# Altium PCB relay_ac.PcbDoc (continued)
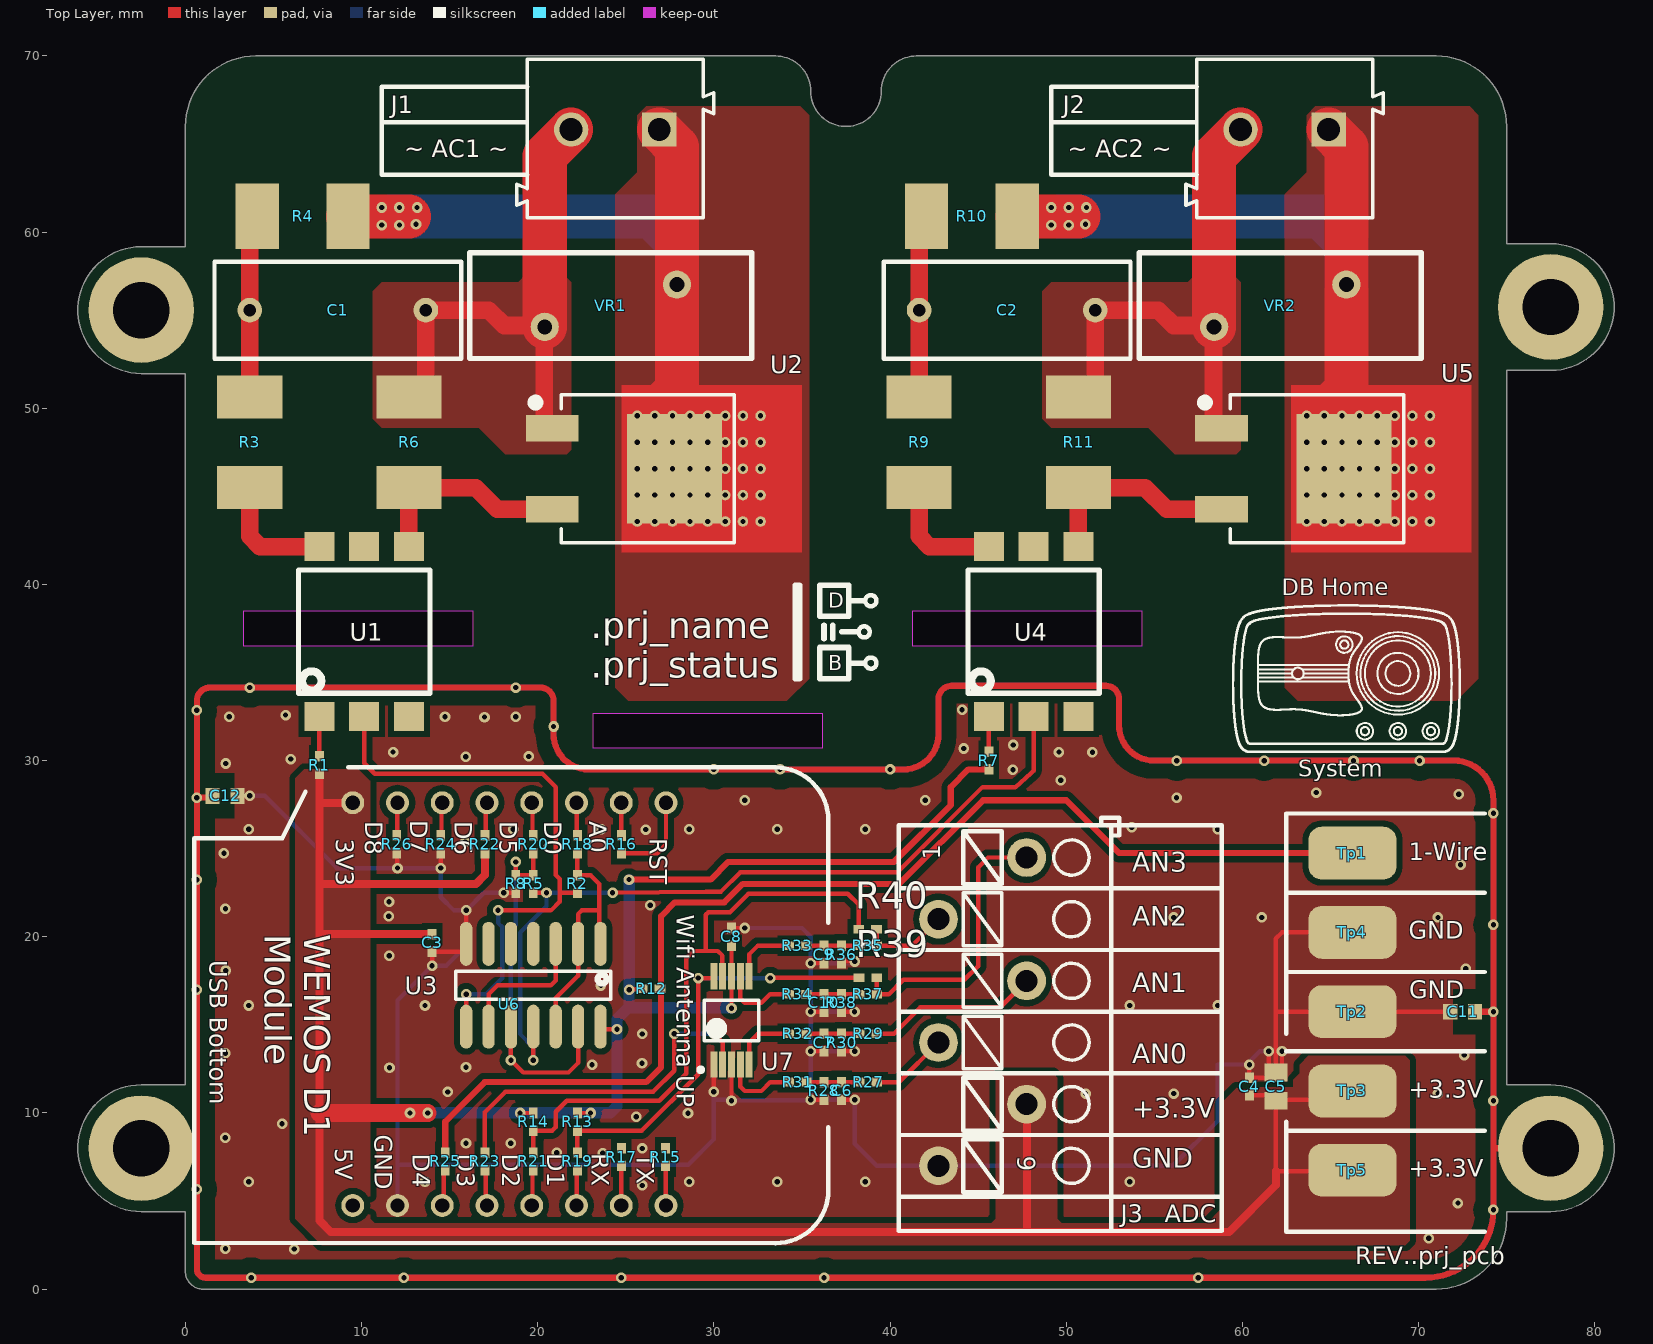
[diagram p0: Top Layer view]
## Part data
C1 C2: library part Cap, "Capacitor X2 275V", ComponentLink1Description="New link", MountTechnology=PTH
C3 C4 C5 C6 C7 C8 C9 C10 C11 C12: library part Cap, "Capacitor", ComponentLink1Description="New link"
J1 J2: library part "Header 2", "Header, 2-Pin", LatestRevisionDate=17-Jul-2002, LatestRevisionNote="Re-released for DXP Platform.", Publisher="Altium Limited"
J3: library part "Header 3X2", "Header, 3-Pin, Dual row", LatestRevisionDate=17-Jul-2002, LatestRevisionNote="Re-released for DXP Platform.", Publisher="Altium Limited"
R1 R2 R5 R7 R8 R12 R13 R14 R15 R16 R17 R18 R19 R20 R21 R22 R23 R24 R25 R26 R27 R28 R29 R30 R31 R32 R33 R34 R35 R36 R37 R38 R39 R40: library part Res1, "Resistor", MountTechnology=SMT, Publisher="Develer srl", Revision=0.1
R3 R9: library part Res1, "Resistor 300V (Walsin WF25P271)", MountTechnology=SMT, Publisher="Develer srl", Revision=0.1
R4 R10: library part Res1, "Resistor 2W 300V (Walsin WF25P471)", MountTechnology=SMT, Publisher="Develer srl", Revision=0.1
R6 R11: library part Res1, "Resistor 1W 200V", MountTechnology=SMT, Publisher="Develer srl", Revision=0.1
Tp1 Tp2 Tp3 Tp4 Tp5: library part Test_point
U1 U4: library part MOC302xS, "Opto-triac", MountTechnology=SMT, Publisher="Develer srl", Revision=0.1
U2 U5: library part triac, "triac", MountTechnology=SMT, Publisher="Develer srl", Revision=0.1
U3: library part TI-NAND-4-2IN-14_G, "Quad 2-Input Positive-NAND Gates, D0014A, LARGE T&R", F @ Nom Voltage(Max)(Mhz)=70, Generic Part Number=SN74HC00, ICC @ Nom Voltage(Max)(mA)=0.02, Manufacturer="Texas Instruments", Operating Temperature Range(C)="-40 to 85", Rating=Catalog, tpd @ Nom Voltage(Max)(ns)=23, Voltage(Nom)(V)=5, Bits(#)=4, Code_JEDEC=MS-012, DatasheetVersion=SCLS181E, Input Type=CMOS, Output Drive (IOL/IOH)(Max)(mA)=5.2/-5.2, Output Type=CMOS, PackageReference=D0014A, Schmitt Trigger=Yes, Technology Family=HC, VCC(Max)(V)=6, VCC(Min)(V)=2
U6: library part "WEMOS D1", "ComponetDescritions (altrenative1; alternativ2)", MountTechnology=SMT, Publisher="Develer srl", Revision=0.1
U7: library part TI-ADS1015_1115-10, "12-Bit ADC with Integrated Multiplexer, PGA, Comparator, Oscillator, and Reference, -40 to 125 degC, 10-pin SOP (DGS10), Green (RoHS & no Sb/Br)", Analog Voltage AV/DD(Max)(V)=5.5, Analog Voltage AV/DD(Min)(V)=2, Manufacturer="Texas Instruments", # Input Channels=4, Architecture=Delta-Sigma, Code_JEDEC=MO-153, ComponentLink1Description="Manufacturer URL", ComponentLink1URL=http://www.ti.com/, ComponentLink2Description=Datasheet, ComponentLink2URL=http://www.ti.com/general/docs/lit/getliterature.tsp?genericPartNumber=ADS1015&fileType=pdf, ComponentLink3Description="Package Specification", ComponentLink3URL=http://www.ti.com/lit/ml/mpds035b/mpds035b.pdf, DatasheetVersion=SBAS473C, Digital Supply(Max)(V)=5.5, Digital Supply(Min)(V)=2, Eco-Plan="Green (RoHS & no Sb/Br)", INL(Max)(+/-LSB)=0.5, Interface="Serial I2C", Mounting Technology="Surface Mount", PackageDescription="10-Pin Plastic Small Outline, Body 3 x 3 mm, Pitch 0.5 mm", PackageReference=DGS10, PackageVersion="4073272/C, 02/2004", PartNumber=ADS1015IDGSR, Resolution(Bits)=12, Sample Rate (max)(SPS)=3.3k, SubFamily="Precision ADC (<=10MSPS)"
VR1 VR2: library part VARISTOR, "ComponetDescritions (altrenative1; alternativ2)", MountTechnology=PTH, Publisher="Develer srl", Revision=0.1

## Free pads (board coordinates)
  round 6 hole 3.2: Hole(-2.5,8) Hole(-2.5,55.575) Hole(77.5,8) Hole(77.5,55.75)

## Via types
v1: diameter 0.6, hole 0.3, Top Layer to Bottom Layer, 156 vias

## Nets (pads, with @x,y where several pads share a name; then routed paths per layer and width w, separated by ;. In a path a pad name is that pad's centre, name@x,y a point inside that pad or via, vN(x,y) a via of type N, cw(c..) or ccw(c..) an arc to the next point about the centre after c; other vN are vias at no path point)
1-Wire: R12.1 R25.1 Tp1.1 | length 67.1
  Top Layer w0.35: R25.1 14.75,9.51 16.99,11.75 26.15,11.75 27,12.6 27,17.05 27,21.175 27.775,21.95 30.6,21.95 31.65,23 40.53,23 45.28,27.75 50,27.75 53,24.75 Tp1.1
+3.3V: C3.2 C4.2 C5.2 C8.2 J3.5 R1.2 R7.2 R12.2 R13.2 R14.2 R22.2 Tp3.1 Tp5.1 U3.14 U6.8 U7.8 | length 190.2
  Top Layer w0.25: v1(19,10) R14.2 ; R13.2 v1(23,10) ; U3.14 23.71,14.75 v1(24.5,14.75) ; v1(25.193,17) 25.218,17.025 25.918,17.025 R12.2 ; v1(31,15.943) U7.8 C8.2 ; C4.2 61.6,11 C5.2 ; Tp5.1@66.195,6.695 61.9,6.695 C5.2 ; Tp3.1 65.75,10.75 61.95,10.75 C5.2
  Top Layer w0.35: v1(25.181,23.25) 29.81,23.25 30.81,24.25 40.225,24.25 43.45,27.475 43.45,28.5 44.45,29.5 R7.2
  Top Layer w0.45: R1.2 7.61,27.59 ; U6.8 9.48,27.59 7.61,27.59 ; C3.2 7.703,20.15 7.61,20.243 ; R22.2 17,23.51 16.49,23 7.61,23 ; J3.5@47.775,10.475 47.775,3.25 ; 61.9,6.695 61.9,5.9 59.25,3.25 47.775,3.25 ; 7.61,20.243 7.61,10 7.61,3.89 8.25,3.25 47.775,3.25 ; 7.61,20.243 7.61,23 ; 7.61,23 7.61,27.59
  Top Layer w1: 7.61,10 v1(12.75,10) v1(13.75,10)
  Bottom Layer w0.65: v1(12.75,10) v1(13.75,10) v1(19,10) v1(23,10) 24.119,10 24.5,10.381 24.5,15.335 25.148,15.983 25.181,15.983 ; v1(25.181,23.25) 25.187,23.244 25.187,17.006 v1(25.193,17) 25.181,16.988 25.181,15.983 ; v1(31,15.943) 30.96,15.983 25.181,15.983
+5V: U6.9
AC0_L1: J1.1 R4.1 U2.2 VR1.2 | length 39.7
  Top Layer w2.5: R4.1 12.69,60.9 ; J1.1 27.9,64.825 VR1.2 27.9,51.039 27.15,50.289 U2.2@27.15,49.575
  Bottom Layer w2.5: 11.65,60.9 26.436,60.9 27.9,59.436 VR1.2
  other v1: 11.15,60.4 12.15,60.4 13.092,60.452 11.15,61.4 12.15,61.4 13.15,61.4
AC0_L2: C1.1 J1.2 R6.1 U2.1 VR1.1 | length 30.2
  Top Layer w1: R6.1 12.925,50.65 13.65,51.375 C1.1 17.225,55.575 18.1,54.7 20.325,54.7 VR1.1 20.362,54.588 20.362,48.913 U2.1@20.325,48.875
  Top Layer w2.5: VR1.1 20.4,64.325 J1.2
AC1_L1: J2.1 R10.1 U5.2 VR2.2 | length 39.7
  Top Layer w2.5: R10.1 50.69,60.9 ; J2.1 65.9,64.825 VR2.2 65.9,51.039 65.15,50.289 U5.2@65.15,49.575
  Bottom Layer w2.5: 49.65,60.9 64.436,60.9 65.9,59.436 VR2.2
  other v1: 49.15,60.4 50.15,60.4 51.092,60.452 49.15,61.4 50.15,61.4 51.15,61.4
AC1_L2: C2.1 J2.2 R11.1 U5.1 VR2.1 | length 30.2
  Top Layer w1: R11.1 50.925,50.65 51.65,51.375 C2.1 55.225,55.575 56.1,54.7 58.325,54.7 VR2.1 58.362,54.588 58.362,48.913 U5.1@58.325,48.875
  Top Layer w2.5: VR2.1 58.4,64.325 J2.2
ADC_TRG: R23.1 U7.2 | length 20.3
  Top Layer w0.25: R23.1 17,10.033 18.167,11.2 26.55,11.2 27.75,12.4 v1(27.75,14.5) ; v1(30,14.5) 30.5,14 U7.2
  Bottom Layer w0.25: v1(27.75,14.5) v1(30,14.5)
AN0: J3.4 R27.2 | length 4.5
  Top Layer w0.25: R27.2@39.277,11.723 R27.2 40.5,11.75 J3.4
AN1: J3.3 R29.2 | length 9.7
  Top Layer w0.25: R29.2 40.226,14.5 41.726,16 46.25,16 J3.3
AN2: J3.2 R35.2 R40.2 | length 5.1
  Top Layer w0.25: R40.2 39.238,20.419 39.238,19.499 R35.2 41.243,19.493 J3.2
AN3: J3.1 R37.2 R39.2 | length 15.9
  Top Layer w0.25: R39.2 39.241,17.671 39.241,16.745 R37.2 39.935,16.743 40.75,17.558 44.218,17.558 45,18.34 45,23.939 45.561,24.5 J3.1
DIR: R2.2 R18.2 U3.1 U3.2 U3.12 | length 14.3
  Top Layer w0.25: U3.12 21.02,16.52 22.29,17.79 U3.2 22.29,21.29 22.5,21.5 23.5,21.5 ; R18.2 R2.2 23,23.5 23.5,23 23.5,21.5 ; U3.1 23.5,19.66 23.5,21.5
ENABLE: R5.2 R8.1 R20.2 U3.10 U3.13 | length 22.6
  Top Layer w0.25: U3.10 v1(18.48,13) 19.18,12.3 21.75,12.3 22.29,12.84 U3.13 ; v1(18.75,24.25) R8.1 R5.2 R20.2
  Bottom Layer w0.25: v1(18.48,13) 18.48,20.42 18.75,20.69 v1(18.75,24.25)
GND: C3.1 C4.1 C5.1 C6.1 C7.1 C8.1 C9.1 C10.1 C11.1 C12.1 J3.6 R8.2 R24.2 R26.2 R28.2 R30.2 R36.2 R38.2 Tp2.1 Tp4.1 U3.7 U6.10 U7.1 U7.3 | length 165.9
  Top Layer w0.25: C12.1 v1(3.65,28) ; R26.2 12.02,24.73 12.02,23.92 v1(12.04,23.9) ; v1(14.004,18.36) C3.1 15.732,19.15 15.94,19.358 U3.7 v1(15.94,21.5) ; v1(14.5,23.9) R24.2 ; v1(18.075,22.5) R8.2 ; v1(29.985,11.2) 29.992,11.208 29.992,12.742 U7.1 ; v1(31,10.7) U7.3 ; C8.1 v1(31.75,20.5) ; v1(35.5,15.743) C10.1 ; v1(35.5,18.493) C9.1 ; v1(35.507,10.75) R28.2 ; v1(35.507,13.5) C7.1 ; R38.2 v1(37.986,15.743) ; R36.2 37.35,18.6 v1(38,18.6) ; C6.1 v1(37.993,10.75) ; R30.2 v1(37.993,13.5) ; v1(60.4,12.742) C4.1 61.6,12 C5.1 ; Tp4.1 62.25,20.25 61.9,19.9 61.9,15.75 ; C11.1@72.05,15.75 Tp2.1 61.9,15.75 ; C5.1 62.25,12.65 v1(62.25,13.5) 61.9,13.5 ; C5.1 61.9,13.5 ; C5.1 61.875,12.3 61.5,12.675 v1(61.5,13.5) 61.9,13.5 ; 61.9,13.5 61.9,15.75
  Bottom Layer w0.25: v1(3.65,28) 4.5,28 8.6,23.9 v1(12.04,23.9) v1(14.5,23.9) 14.5,22.25 15.25,21.5 v1(15.94,21.5) ; U6.10 12.04,7.064 ; v1(18.075,22.5) 16.94,22.5 v1(15.94,21.5) ; v1(29.985,11.2) 29.985,10.75 ; v1(31.75,20.5) 35,20.5 35.5,20 v1(35.5,18.493) ; v1(35.507,13.5) v1(37.993,13.5) ; v1(37.986,15.743) v1(35.5,15.743) ; v1(38,18.6) 37.893,18.493 v1(35.5,18.493) ; v1@60.5,12.75 v1@60.25,12.75 ; v1(62.25,13.5) v1(61.5,13.5) 61,13.5 v1@60.25,12.75 ; 12.04,7.064 12.04,16.396 v1(14.004,18.36) 14.8,18.36 15.94,19.5 v1(15.94,21.5) ; 12.04,7.064 28.549,7.064 29.985,8.5 29.985,10.75 ; 29.985,10.75 30.95,10.75 v1(31,10.7) 31.025,10.725 35.482,10.725 v1(35.507,10.75) ; v1(35.5,15.743) 35.5,10.757 v1(35.507,10.75) ; v1(35.5,15.743) v1(35.5,18.493) ; v1(35.507,10.75) v1(37.993,10.75) 37.993,8.25 39.243,7 J3.6 56.05,7 58.6,9.55 58.6,12.75 v1@60.25,12.75
  other v1: 6.187,2.275 2.275,2.287 70.587,2.887 72.237,4.887 25.931,5.887 3.6,6.1 13.6,6.1 28.6,6.1 33.6,6.1 38.6,6.1 53.6,6.1 21.087,7.738 23.697,7.725 25.931,7.987 18.467,8.275 15.927,8.287 2.262,8.587 5.487,9.387 25.587,9.787 28.53,9.988 51.1,11.1 56.1,11.1 71.1,11.1 14.887,11.195 11.587,12.575 15.927,12.587 23.087,12.73 25.918,12.827 72.587,13.287 2.275,13.387 25.931,14.487 3.6,16.1 13.6,16.1 53.6,16.1 58.6,16.1 23.588,17.237 2.287,18.087 72.687,18.187 11.575,18.922 56.1,21.1 61.1,21.1 71.1,21.1 11.55,21.163 2.275,21.587 26.387,21.787 11.562,21.987 72.387,24.087 2.187,24.737 15.887,25.387 3.6,26.1 18.6,26.1 23.6,26.1 26.138,26.088 28.6,26.1 33.6,26.1 38.6,26.1 58.6,26.1 53.718,26.218 31.75,27.75 42,27.75 56.266,27.887 72.287,28.087 64.187,28.187 49.687,28.887 46.975,29.487 2.287,29.838 5.987,30.087 15.915,30.225 19.487,30.238 51.487,30.475 11.787,30.487 49.587,30.487 44.187,30.687 46.987,30.887 16.977,32.474 2.487,32.487 14.737,32.487 18.75,32.499 5.687,32.587 44.087,32.887
NetC1_2: C1.2 R3.1 R4.2 | length 8.5
  Top Layer w1: R3.1 C1.2 R4.2@3.65,59.15
NetC2_2: C2.2 R9.1 R10.2 | length 8.5
  Top Layer w1: R9.1 C2.2 R10.2@41.65,59.15
NetC6_2: C6.2 R27.1 R28.1 R31.1 | length 3
  Top Layer w0.25: R31.1 R28.1 R27.1
NetC7_2: C7.2 R29.1 R30.1 R32.1 | length 3
  Top Layer w0.25: R32.1 C7.2 R29.1
NetC9_2: C9.2 R33.1 R35.1 R36.1 | length 3
  Top Layer w0.25: R33.1 C9.2 R35.1
NetC10_2: C10.2 R34.1 R37.1 R38.1 | length 3
  Top Layer w0.25: R34.1 R38.1 R37.1
NetR1_1: R1.1 U1.1 | length 2.2
  Top Layer w0.25: R1.1 U1.1
NetR2_1: R2.1 U1.2 U3.8 | length 33.5
  Top Layer w0.25: U1.2 10.15,29.85 10.75,29.25 20.27,29.25 21.02,28.5 21.02,23.51 21.25,23.28 21.25,22 20.75,21.5 v1(17.75,21.5) ; U3.8 v1(15.94,16.743) ; 21.287,22.5 R2.1
  Bottom Layer w0.25: v1(15.94,16.743) 17.064,16.743 17.98,17.659 17.98,20.558 17.75,20.788 v1(17.75,21.5)
NetR3_2: R3.2 U1.6 | length 7
  Top Layer w1: R3.2 3.65,42.737 4.236,42.151 U1.6
NetR5_1: R5.1 U3.11 U4.2 | length 46.6
  Top Layer w0.25: v1(19.75,13) U3.11 ; R5.1 v1(20.5,22.5) ; v1(24.25,22.5) 29.543,22.565 30.405,22.565 31.507,23.667 40.419,23.667 45.253,28.5 47.112,28.5 48.004,29.278 48.15,29.424 U4.2
  Bottom Layer w0.25: v1(19.75,13) 19.75,13.731 19,14.481 19,20.233 20.5,21.733 v1(20.5,22.5) v1(24.25,22.5)
NetR6_2: R6.2 U1.4 U2.3 | length 11.5
  Top Layer w1: U1.4@12.65,42.15 12.69,42.19 12.69,45.49 R6.2 16.475,45.5 17.7,44.275 U2.3@20.325,44.275
NetR7_1: R7.1 U4.1 | length 2
  Top Layer w0.25: R7.1 U4.1
NetR9_2: R9.2 U4.6 | length 7
  Top Layer w1: R9.2 41.65,42.737 42.236,42.151 U4.6
NetR11_2: R11.2 U4.4 U5.3 | length 11.5
  Top Layer w1: U4.4@50.65,42.15 50.69,42.19 50.69,45.49 R11.2 54.475,45.5 55.7,44.275 U5.3@58.325,44.275
NetR15_2: R15.2 U6.16 | length 2.3
  Top Layer w0.25: R15.2 27.265,6.985 27.265,4.765 U6.16
NetR16_1: R16.1 U6.2 | length 1.9
  Top Layer w0.25: U6.2 24.745,27.605 24.745,25.755 R16.1
NetR16_2: R16.2 U6.1 | length 5.1
  Top Layer w0.25: R16.2 26.78,24.75 27.28,25.25 U6.1
NetR17_2: R17.2 U6.15 | length 2.3
  Top Layer w0.25: U6.15 24.745,4.755 24.745,6.995 R17.2
NetR18_1: R18.1 U6.3 | length 1.9
  Top Layer w0.25: U6.3 22.225,27.585 22.225,25.775 R18.1
NetR19_2: R19.2 U6.14 | length 2
  Top Layer w0.25: U6.14 22.225,4.775 22.225,6.725 R19.2
NetR20_1: R20.1 U6.4 | length 1.9
  Top Layer w0.25: U6.4 19.705,27.565 19.705,25.795 R20.1
NetR21_2: R21.2 U6.13 | length 2
  Top Layer w0.25: U6.13 19.705,4.795 19.705,6.705 R21.2
NetR22_1: R22.1 U6.5 | length 1.9
  Top Layer w0.25: R22.1 17.06,25.81 17.06,27.55 U6.5
NetR23_2: R23.2 U6.12 | length 2
  Top Layer w0.25: R23.2 17.06,6.69 17.06,4.81 U6.12
NetR24_1: R24.1 U6.6 | length 1.9
  Top Layer w0.25: R24.1 14.54,25.79 14.54,27.57 U6.6
NetR25_2: R25.2 U6.11 | length 2.1
  Top Layer w0.25: U6.11 14.665,4.835 14.665,6.665 R25.2
NetR26_1: R26.1 U6.7 | length 1.9
  Top Layer w0.25: R26.1 12.02,25.77 12.02,27.59 U6.7
NetR31_2: R31.2 U7.4 | length 4.3
  Top Layer w0.25: U7.4 31.5,11.5 31.75,11.25 32.697,11.25 33.19,11.743 34.243,11.743 R31.2
NetR32_2: R32.2 U7.5 | length 3.7
  Top Layer w0.25: U7.5 32,14 32.5,14.5 R32.2
NetR33_2: R33.2 U7.6 | length 3.7
  Top Layer w0.25: U7.6 32,19 32.5,19.5 R33.2@34.25,19.5
NetR34_2: R34.2 U7.7 | length 4.3
  Top Layer w0.25: U7.7 31.5,16.5 31.75,16.25 32.697,16.25 33.19,16.743 R34.2
NetU3_3: U3.3 U3.9 | length 8.1
  Top Layer w0.25: U3.9 17.21,16.743 17.717,17.25 20.75,17.25 21.02,17.52 U3.3
SCL: R13.1 R19.1 R39.1 U7.10 | length 25
  Top Layer w0.25: R19.1 R13.1 25.907,9 29.11,12.203 v1(29.11,17.658) 29.878,17.658 29.985,17.765 U7.10 ; v1@33.2,17.673 R39.1
  Bottom Layer w0.25: v1(29.11,17.658) v1(33.2,17.659)
SDA: R14.1 R21.1 R40.1 U7.9 | length 34.8
  Top Layer w0.25: R21.1 R14.1 20.82,9 21.02,9.2 21.02,10.07 21.65,10.7 26.9,10.7 28.435,12.235 28.435,18.783 28.845,19.193 29.543,19.193 ; U7.9 30.5,18.36 30.485,18.375 30.485,18.935 30.226,19.193 29.543,19.193 ; R40.1 38.232,21.818 37.6,22.45 31.963,22.45 30.913,21.4 29.689,21.4 29.543,21.254 29.543,19.193
SHLD: C11.2 C12.2 pad.Hole@77.5,8 pad.Hole@-2.5,8 | length 443.5
  Top Layer w0.25: pad.Hole@-2.5,8 0.65,8 ; 74.25,7.883 74.25,8
  Top Layer w0.35: C12.2@1.7,27.9 v1(0.65,27.9) ; 20.9,31.4 20.9,33.4 ccw(c20.15,33.4) 20.15,34.15 1.4,34.15 ccw(c1.4,33.4) 0.65,33.4 v1(0.65,27.9) ; 20.9,31.5 ccw(c22.9,31.5) 22.9,29.5 ; 22.75,29.5 40.75,29.5 ccw(c40.75,31.5) 42.75,31.5 42.75,33.5 cw(c43.5,33.5) 43.5,34.25 52.25,34.25 cw(c52.25,33.5) 53,33.5 53,32 ccw(c55,32) 55,30 72.25,30 ; 72,30 cw(c72,27.75) 74.25,27.75 v1(74.25,15.75) ; C11.2 v1(74.25,15.75) ; 74.25,7.883 v1(74.25,4.5) cw(c70.4,4.5) 70.4,0.65 1.15,0.65 cw(c1.15,1.15) 0.65,1.15 v1(0.65,5.668) 0.65,8 v1(0.65,16.988) v1(0.65,23.244) v1(0.65,27.9) ; pad.Hole@77.5,8 74.25,8 v1(74.25,10.699) v1(74.25,15.75)
  Bottom Layer w0.35: 20.9,31.4 20.9,33.4 ccw(c20.15,33.4) 20.15,34.15 1.4,34.15 ccw(c1.4,33.4) 0.65,33.4 v1(0.65,27.9) v1(0.65,23.244) v1(0.65,16.988) v1(0.65,5.668) 0.65,1.15 ccw(c1.15,1.15) 1.15,0.65 70.4,0.65 ccw(c70.4,4.5) v1(74.25,4.5) v1(74.25,10.699) v1(74.25,15.75) 74.25,27.75 ccw(c72,27.75) 72,30 ; 20.9,31.5 ccw(c22.9,31.5) 22.9,29.5 ; 22.75,29.5 40.75,29.5 ccw(c40.75,31.5) 42.75,31.5 42.75,33.5 cw(c43.5,33.5) 43.5,34.25 52.25,34.25 cw(c52.25,33.5) 53,33.5 53,32 ccw(c55,32) 55,30 72.25,30
  other v1: 3.736,0.65 12.408,0.65 24.74,0.65 36.254,0.65 57.491,0.65 74.25,20.677 74.25,27.02 29.985,29.5 33.755,29.5 40.002,29.5 56.279,30 61.239,30 66.31,30 70.057,30 20.9,31.939 0.65,32.859 3.65,34.15 18.75,34.15
pads on no net: R15.1 R17.1 U1.3 U1.5 U3.4 U3.5 U3.6 U4.3 U4.5

## Polygon pours and split planes (outlines as drawn)
GND on Top Layer "GND_L01_P014" (solid, remove dead copper, pour order 14): -0.75,34.5 75.5,34.5 75.5,-3 -0.75,-3
+3.3V on Top Layer "+3.3V_L01_P012" (solid, pour order 12): 59.75,11.5 62.5,11.5 63.25,12.25 63.25,12.75 63.75,13.25 69.25,13.25 69.5,13 69.5,2.75 69.25,2.5 7.75,2.5 6.25,4 6.25,29 6.75,29.5 10,29.5 10.5,29 10.5,4 10.75,3.75 45.75,3.75 46,4 46,12 46.25,12.25 49.25,12.25 49.5,12 49.5,4 49.75,3.75 58,3.75 58.75,4.5 58.75,10.5
AC1_L2 on Top Layer "AC1_L2_L01_P008" (solid, pour order 8): 56.9,57.15 57.15,57.4 59.65,57.4 59.9,57.15 59.9,47.65 59.65,47.4 56.15,47.4 54.65,48.9 49.15,48.9 48.65,49.4 48.65,56.65 49.15,57.15
AC1_L1 on Top Layer "AC1_L1_L01_P010" (solid, pour order 10): 72.9,67.15 73.4,66.65 73.4,34.65 72.15,33.4 63.15,33.4 62.4,34.15 62.4,62.15 63.65,63.4 63.65,66.65 64.15,67.15
AC0_L1 on Top Layer "AC0_L1_L01_P009" (solid, pour order 9): 34.9,67.15 35.4,66.65 35.4,34.65 34.15,33.4 25.15,33.4 24.4,34.15 24.4,62.15 25.65,63.4 25.65,66.65 26.15,67.15
AC0_L2 on Top Layer "AC0_L2_L01_P007" (solid, pour order 7): 18.9,57.15 19.15,57.4 21.65,57.4 21.9,57.15 21.9,47.65 21.65,47.4 18.15,47.4 16.65,48.9 11.15,48.9 10.65,49.4 10.65,56.65 11.15,57.15
GND on Bottom Layer "GND_L02_P013" (solid, remove dead copper, pour order 13): -0.75,34.5 75.5,34.5 75.5,-3 -0.75,-3

## Silkscreen, mask and mechanical layers (free items; w line width, h text height)
Top Overlay:
  drawing of 3605 lines, arcs and shapes, not listed
  text "DB Home" at 62.242,39.397 h0.94
  text "D" at 36.48,38.678 h0.85
  text "B" at 36.48,35.135 h0.85
  text ".prj_name / .prj_status" at 23,34.7 h1.5
  text "System" at 63.178,29.099 h0.94
  text "AN3" at 53.735,23.7 h1.1
  text "AN2" at 53.735,20.623 h1.1
  text "AN1" at 53.735,16.843 h1.1
  text "AN0" at 53.735,12.811 h1.1
  text "+3.3V" at 53.735,9.718 h1.1
  text "GND" at 53.735,6.9 h1.1
  text "REV..prj_pcb" at 66.4,1.4 h1
Bottom Overlay:
  drawing of 3579 lines, arcs and shapes, not listed
  text "DB Home" at 69.121,40.99 h0.94
  text "D" at 24.37,38.878 h0.85
  text "B" at 24.37,35.335 h0.85
  text ".prj_name / .prj_status" at 37.85,34.9 h1.5
  text "System" at 68.184,30.692 h0.94
  text "REV..prj_pcb" at 69.712,1.377 h1
Outline:
  lines w0.15: -2.5,4.4 cw(c-2.5,8) -2.5,11.6 0,11.6 0,51.975 -1.25,51.975 -2.5,51.975 cw(c-2.5,55.575) -2.5,59.175 -1.25,59.175 0,59.175 0,66 cw(c4,66) 4,70 33.5,70 cw(c33.5,68) 35.5,68 ccw(c37.5,68) 39.5,68 cw(c41.5,68) 41.5,70 71,70 cw(c71,66) 75,66 75,59.35 76.25,59.35 77.5,59.35 cw(c77.5,55.75) 77.5,52.15 75.873,52.15 75,52.15 75,11.6 76.25,11.6 77.5,11.6 cw(c77.5,8) 77.5,4.4 76.25,4.4 75,4.4 75,4 cw(c71,4) 71,0 1,0 cw(c1,1) 0,1 0,4.4 -2.5,4.4 ; 3.3,36.5 3.3,38.5 16.3,38.5 16.3,36.5 3.3,36.5 ; 23.15,30.7 36.15,30.7 36.15,32.7 23.15,32.7 23.15,30.7 ; 41.3,36.5 54.3,36.5 54.3,38.5 41.3,38.5 41.3,36.5
Drawing:
  text "'.Layer_Name'" at 93.111,-125 h5
Assembly Top:
  text "'.Layer_Name'" at 87.202,-125 h5
Assembly Bottom:
  text "'.Layer_Name'" at -82.626,-124.929 h5
Note Top:
  text "'.Layer_Name'" at 91.818,-125 h5
Note Bottom:
  text "'.Layer_Name'" at -86.518,-124.929 h5
PCB_Note:
  drawing of 3652 lines, arcs and shapes, not listed
  text "A" at -195,146 h1.5
  text "B" at -163,146 h1.5
  text "C" at -133.514,146 h1.5
  text "D" at -104.029,146 h1.5
  text "E" at -74.543,146 h1.5
  text "F" at -45.058,146 h1.5
  text "G" at -15.572,146 h1.5
  text "H" at 13.819,146 h1.5
  text "I" at 43.305,146 h1.5
  text "J" at 72.79,146 h1.5
  text "K" at 102.457,146 h1.5
  text "L" at 131.942,146 h1.5
  text "M" at 161.428,146 h1.5
  text "N" at 190.914,146 h1.5
  text "10" at -207,136 h1.5 r90
  text "10" at 207,135.947 h1.5 r270
  text "PCB Build Notes:" at -195,135.3 h3
  text "1. Layers: '.pcb_layer_count' / 2. Base Material: '.pcb_material' / 3. Plating Finish: '.pcb_finish' / 4. Silkscreen Color: .'.pcb_silkscreen_color' / 5. Solder Color: '.pcb_solder_color'" at -191.686,110.002 h2.5
  text "9" at -207,106.389 h1.5 r90
  text "9" at 207,106.336 h1.5 r270
  text "Other Notes:" at -195,104.3 h3
  text "None" at -191.65,99.114 h2.5
  text "8" at -207,76.778 h1.5 r90
  text "8" at 207,76.725 h1.5 r270
  text "7" at -207,47.167 h1.5 r90
  text "7" at 207,47.114 h1.5 r270
  text "6" at -207,17.556 h1.5 r90
  text "6" at 207,17.503 h1.5 r270
  text "5" at -207,-12.056 h1.5 r90
  text "5" at 207,-12.108 h1.5 r270
  text "4" at -207,-41.667 h1.5 r90
  text "4" at 207,-41.719 h1.5 r270
  text "3" at -207,-71.278 h1.5 r90
  text "3" at 207,-71.33 h1.5 r270
  text "2" at -207,-100.889 h1.5 r90
  text "2" at 207,-100.941 h1.5 r270
  text "Title: .prj_name_long" at 81.95,-114.5 h2.5
  text "Part No.: .prj_pn" at 148.931,-119.429 h1.8
  text "Board: .prj_name" at 82,-119.5 h2
  text "-  '.prj_status' -" at 121.5,-123 h2
  text "Variant: '.VariantName'" at 149.931,-123.5 h1.8
  text "'.Layer_Name'" at 83.096,-124.929 h5
  text "Author:" at 121.431,-127.429 h1.8
  text "Daniele Basile <asterix@develer.com>" at 140.431,-127.429 h1.8
  text "DB Home" at 95.467,-128.041 h0.94
  text "1" at -207,-130.5 h1.5 r90
  text "1" at 207,-130.553 h1.5 r270
  text "Approved by:" at 121.431,-131.429 h1.8
  text "Daniele Basile <asterix@develer.com>" at 140.431,-131.429 h1.8
  text "Prj Date: .prj_date" at 121.431,-135.429 h1.8
  text "Last Edit: '.Print_Date', '.Print_Time'" at 155.431,-135.429 h1.8
  text "System" at 96.403,-138.339 h0.94
  text "PCB Revision: .prj_pcb" at 121.431,-139.429 h2
  text "'.Print_Scale'" at 155.431,-139.429 h2
  text "'.Print_Scale'" at 155.431,-139.429 h2
  text "PAGE SIZE A4" at 182.431,-139.429 h2
  text "PAGE SIZE A4" at 182.431,-139.429 h2
  text "A" at -195,-142.5 h1.5 r180
  text "B" at -163,-142.5 h1.5 r180
  text "C" at -133.514,-142.5 h1.5 r180
  text "D" at -104.029,-142.5 h1.5 r180
  text "E" at -74.543,-142.5 h1.5 r180
  text "F" at -45.058,-142.5 h1.5 r180
  text "G" at -15.572,-142.5 h1.5 r180
  text "H" at 13.819,-142.5 h1.5 r180
  text "I" at 43.305,-142.5 h1.5 r180
  text "J" at 72.79,-142.5 h1.5 r180
  text "K" at 102.457,-142.5 h1.5 r180
  text "L" at 131.942,-142.5 h1.5 r180
  text "M" at 161.428,-142.5 h1.5 r180
  text "N" at 190.914,-142.5 h1.5 r180
Top TitleBlock:
  drawing of 3644 lines, arcs and shapes, not listed
  text "A" at -195,146 h1.5
  text "B" at -163,146 h1.5
  text "C" at -133.514,146 h1.5
  text "D" at -104.029,146 h1.5
  text "E" at -74.543,146 h1.5
  text "F" at -45.058,146 h1.5
  text "G" at -15.572,146 h1.5
  text "H" at 13.819,146 h1.5
  text "I" at 43.305,146 h1.5
  text "J" at 72.79,146 h1.5
  text "K" at 102.457,146 h1.5
  text "L" at 131.942,146 h1.5
  text "M" at 161.428,146 h1.5
  text "N" at 190.914,146 h1.5
  text "10" at -207,136 h1.5 r90
  text "10" at 207,135.947 h1.5 r270
  text "9" at -207,106.389 h1.5 r90
  text "9" at 207,106.336 h1.5 r270
  text "8" at -207,76.778 h1.5 r90
  text "8" at 207,76.725 h1.5 r270
  text "7" at -207,47.167 h1.5 r90
  text "7" at 207,47.114 h1.5 r270
  text "6" at -207,17.556 h1.5 r90
  text "6" at 207,17.503 h1.5 r270
  text "5" at -207,-12.056 h1.5 r90
  text "5" at 207,-12.108 h1.5 r270
  text "4" at -207,-41.667 h1.5 r90
  text "4" at 207,-41.719 h1.5 r270
  text "3" at -207,-71.278 h1.5 r90
  text "3" at 207,-71.33 h1.5 r270
  text "2" at -207,-100.889 h1.5 r90
  text "2" at 207,-100.941 h1.5 r270
  text "Title: .prj_name_long" at 81.95,-114.5 h2.5
  text "Part No.: .prj_pn" at 148.931,-119.429 h1.8
  text "Board: .prj_name" at 82,-119.5 h2
  text "-  '.prj_status' -" at 121.5,-123 h2
  text "Variant: '.VariantName'" at 149.931,-123.5 h1.8
  text "Author:" at 121.431,-127.429 h1.8
  text "Daniele Basile <asterix@develer.com>" at 140.431,-127.429 h1.8
  text "DB Home" at 95.467,-128.041 h0.94
  text "1" at -207,-130.5 h1.5 r90
  text "1" at 207,-130.553 h1.5 r270
  text "Approved by:" at 121.431,-131.429 h1.8
  text "Daniele Basile <asterix@develer.com>" at 140.431,-131.429 h1.8
  text "Prj Date: .prj_date" at 121.431,-135.429 h1.8
  text "Last Edit: '.Print_Date', '.Print_Time'" at 155.431,-135.429 h1.8
  text "System" at 96.403,-138.339 h0.94
  text "PCB Revision: .prj_pcb" at 121.431,-139.429 h2
  text "'.Print_Scale'" at 155.431,-139.429 h2
  text "PAGE SIZE A4" at 182.431,-139.429 h2
  text "A" at -195,-142.5 h1.5 r180
  text "B" at -163,-142.5 h1.5 r180
  text "C" at -133.514,-142.5 h1.5 r180
  text "D" at -104.029,-142.5 h1.5 r180
  text "E" at -74.543,-142.5 h1.5 r180
  text "F" at -45.058,-142.5 h1.5 r180
  text "G" at -15.572,-142.5 h1.5 r180
  text "H" at 13.819,-142.5 h1.5 r180
  text "I" at 43.305,-142.5 h1.5 r180
  text "J" at 72.79,-142.5 h1.5 r180
  text "K" at 102.457,-142.5 h1.5 r180
  text "L" at 131.942,-142.5 h1.5 r180
  text "M" at 161.428,-142.5 h1.5 r180
  text "N" at 190.914,-142.5 h1.5 r180
Bottom TitleBlock:
  drawing of 3644 lines, arcs and shapes, not listed
  text "N" at -193.5,146 h1.5
  text "M" at -161.428,146 h1.5
  text "L" at -131.942,146 h1.5
  text "K" at -102.457,146 h1.5
  text "J" at -72.79,146 h1.5
  text "I" at -43.305,146 h1.5
  text "H" at -13.819,146 h1.5
  text "G" at 15.572,146 h1.5
  text "F" at 45.058,146 h1.5
  text "E" at 74.543,146 h1.5
  text "D" at 104.029,146 h1.5
  text "C" at 133.514,146 h1.5
  text "B" at 163,146 h1.5
  text "A" at 192.5,146 h1.5
  text "10" at 207,136 h1.5 r270
  text "10" at -207,135.947 h1.5 r90
  text "9" at 207,106.389 h1.5 r270
  text "9" at -207,106.336 h1.5 r90
  text "8" at 207,76.778 h1.5 r270
  text "8" at -207,76.725 h1.5 r90
  text "7" at 207,47.167 h1.5 r270
  text "7" at -207,47.114 h1.5 r90
  text "6" at 207,17.556 h1.5 r270
  text "6" at -207,17.503 h1.5 r90
  text "5" at 207,-12.056 h1.5 r270
  text "5" at -207,-12.108 h1.5 r90
  text "4" at 207,-41.667 h1.5 r270
  text "4" at -207,-41.719 h1.5 r90
  text "3" at 207,-71.278 h1.5 r270
  text "3" at -207,-71.33 h1.5 r90
  text "2" at 207,-100.889 h1.5 r270
  text "2" at -207,-100.941 h1.5 r90
  text "Title: .prj_name_long" at -81.95,-114.5 h2.5
  text "Part No.: .prj_pn" at -148.931,-119.429 h1.8
  text "Board: .prj_name" at -82,-119.5 h2
  text "-  '.prj_status' -" at -121.5,-123 h2
  text "Variant: '.VariantName'" at -149.931,-123.5 h1.8
  text "Daniele Basile <asterix@develer.com>" at -140.431,-127.429 h1.8
  text "Author:" at -121.431,-127.429 h1.8
  text "DB Home" at -95.467,-128.041 h0.94
  text "1" at 207,-130.5 h1.5 r270
  text "1" at -207,-130.553 h1.5 r90
  text "Daniele Basile <asterix@develer.com>" at -140.431,-131.429 h1.8
  text "Approved by:" at -121.431,-131.429 h1.8
  text "Last Edit: '.Print_Date', '.Print_Time'" at -155.431,-135.429 h1.8
  text "Prj Date: .prj_date" at -121.431,-135.429 h1.8
  text "System" at -96.403,-138.339 h0.94
  text "PAGE SIZE A4" at -182.431,-139.429 h2
  text "'.Print_Scale'" at -155.431,-139.429 h2
  text "PCB Revision: .prj_pcb" at -121.431,-139.429 h2
  text "N" at -193.5,-142.5 h1.5 r180
  text "M" at -161.428,-142.5 h1.5 r180
  text "L" at -131.942,-142.5 h1.5 r180
  text "K" at -102.457,-142.5 h1.5 r180
  text "J" at -72.79,-142.5 h1.5 r180
  text "I" at -43.305,-142.5 h1.5 r180
  text "H" at -13.819,-142.5 h1.5 r180
  text "G" at 15.572,-142.5 h1.5 r180
  text "F" at 45.058,-142.5 h1.5 r180
  text "E" at 74.543,-142.5 h1.5 r180
  text "D" at 104.029,-142.5 h1.5 r180
  text "C" at 133.514,-142.5 h1.5 r180
  text "B" at 163,-142.5 h1.5 r180
  text "A" at 192.5,-142.5 h1.5 r180
PCB Note Panel:
  drawing of 163 lines, arcs and shapes, not listed
  text "Layer" at -188.224,-47.75 h1.5
  text "Name" at -179.418,-47.75 h1.5
  text "Material" at -160.2,-47.75 h1.5
  text "Thickness" at -146.566,-47.75 h1.5
  text "Constant" at -133.54,-47.75 h1.5
  text "Board Layer Stack" at -121.12,-47.75 h1.5
  text "Top Overlay" at -179.418,-50.75 h1.5
  text "Top Solder" at -179.418,-53.75 h1.5
  text "SM-001" at -160.2,-53.75 h1.5
  text "0,025mm" at -146.566,-53.75 h1.5
  text "4" at -133.54,-53.75 h1.5
  text "1" at -188.224,-56.75 h1.5
  text "Top Layer" at -179.418,-56.75 h1.5
  text "Copper" at -160.2,-56.75 h1.5
  text "0,035mm" at -146.566,-56.75 h1.5
  text "Dielectric 1" at -179.418,-59.75 h1.5
  text "Core-043" at -160.2,-59.75 h1.5
  text "1,499mm" at -146.566,-59.75 h1.5
  text "4,3" at -133.54,-59.75 h1.5
  text "2" at -188.224,-62.75 h1.5
  text "Bottom Layer" at -179.418,-62.75 h1.5
  text "Copper" at -160.2,-62.75 h1.5
  text "0,035mm" at -146.566,-62.75 h1.5
  text "Bottom Solder" at -179.418,-65.75 h1.5
  text "SM-001" at -160.2,-65.75 h1.5
  text "0,025mm" at -146.566,-65.75 h1.5
  text "4" at -133.54,-65.75 h1.5
  text "Bottom Overlay" at -179.418,-68.75 h1.5
Drawing2:
  lines w0.1: 0.5,2.75 36.5,2.75 36.5,29.75 0.5,29.75

## Text inside footprints (layer, text, board x,y; h text height)
C1: Note Top "1" at 13.7,55.875 h0.8 r180; Assembly Top "1" at 13.7,55.875 h0.8 r180
C2: Note Top "1" at 51.7,55.875 h0.8 r180; Assembly Top "1" at 51.7,55.875 h0.8 r180
J1: Note Top "1" at 27.2,66.475 h0.8 r180; Assembly Top "1" at 27.2,66.475 h0.8 r180
J2: Note Top "1" at 65.2,66.475 h0.8 r180; Assembly Top "1" at 65.2,66.475 h0.8 r180
J3: Top Overlay "6" at 48.25,6.691 h1 r90; Top Overlay "1" at 42.85,24.381 h1 r90; Note Top "1" at 48.1,24.4 h0.8 r90; Assembly Top "1" at 48.1,24.4 h0.8 r90
R3: Note Top "1" at 3.3,51.325 h0.5 r270; Assembly Top "1" at 3.3,51.325 h0.5 r270
R4: Note Top "1" at 9.9,61.25 h0.5 r180; Assembly Top "1" at 9.9,61.25 h0.5 r180
R6: Note Top "1" at 12.35,51.325 h0.5 r270; Assembly Top "1" at 12.35,51.325 h0.5 r270
R9: Note Top "1" at 41.3,51.325 h0.5 r270; Assembly Top "1" at 41.3,51.325 h0.5 r270
R10: Note Top "1" at 47.9,61.25 h0.5 r180; Assembly Top "1" at 47.9,61.25 h0.5 r180
R11: Note Top "1" at 50.35,51.325 h0.5 r270; Assembly Top "1" at 50.35,51.325 h0.5 r270
U3: Assembly Top "1" at 23.25,19.75 h1 r270
U6: Top Overlay "WEMOS D1 / Module" at 4.5,20.158 h1.5 r270; Top Overlay "Wifi Antenna UP" at 27.9,21.25 h1 r270; Top Overlay "USB Bottom" at 1.39,18.68 h1 r270; Top Overlay "3V3" at 8.572,25.57 h1 r270; Top Overlay "D8" at 10.212,26.57 h1 r270; Top Overlay "D7" at 12.762,26.607 h1 r270; Top Overlay "D6" at 15.292,26.57 h1 r270; Top Overlay "D5" at 17.832,26.57 h1 r270; Top Overlay "D0" at 20.372,26.57 h1 r270; Top Overlay "A0" at 22.912,26.57 h1 r270; Top Overlay "RST" at 26.362,25.607 h1 r270; Top Overlay "5V" at 8.5,8 h1 r270; Top Overlay "GND" at 10.75,8.75 h1 r270; Top Overlay "D4" at 12.902,7.675 h1 r270; Top Overlay "D3" at 15.442,7.675 h1 r270; Top Overlay "D2" at 17.982,7.675 h1 r270; Top Overlay "D1" at 20.532,7.712 h1 r270; Top Overlay "RX" at 23.072,7.712 h1 r270; Top Overlay "TX" at 25.612,7.712 h1 r270; Note Top "1" at 27.29,27.73 h0.8 r270; Assembly Top "1" at 27.29,27.73 h0.8 r270
VR1: Note Top "1" at 20.2,54.275 h0.8; Assembly Top "1" at 20.2,54.275 h0.8
VR2: Note Top "1" at 58.2,54.275 h0.8; Assembly Top "1" at 58.2,54.275 h0.8